# Altium PCB MAIN_BOARD_V2.PcbDoc (part 4 of 4)
Units mm, origin at the board's own origin, x right, y up, seen from the top; angles counter-clockwise.
Board outline 125 x 110 mm, 4 copper layers (Top Layer, Mid Layer 1, Mid Layer 2, Bottom Layer), stack 1.586 mm thick; 405 components, 359 nets, 1766 pads, 153 vias.
Unrouted connection lines stored in the file: 817.
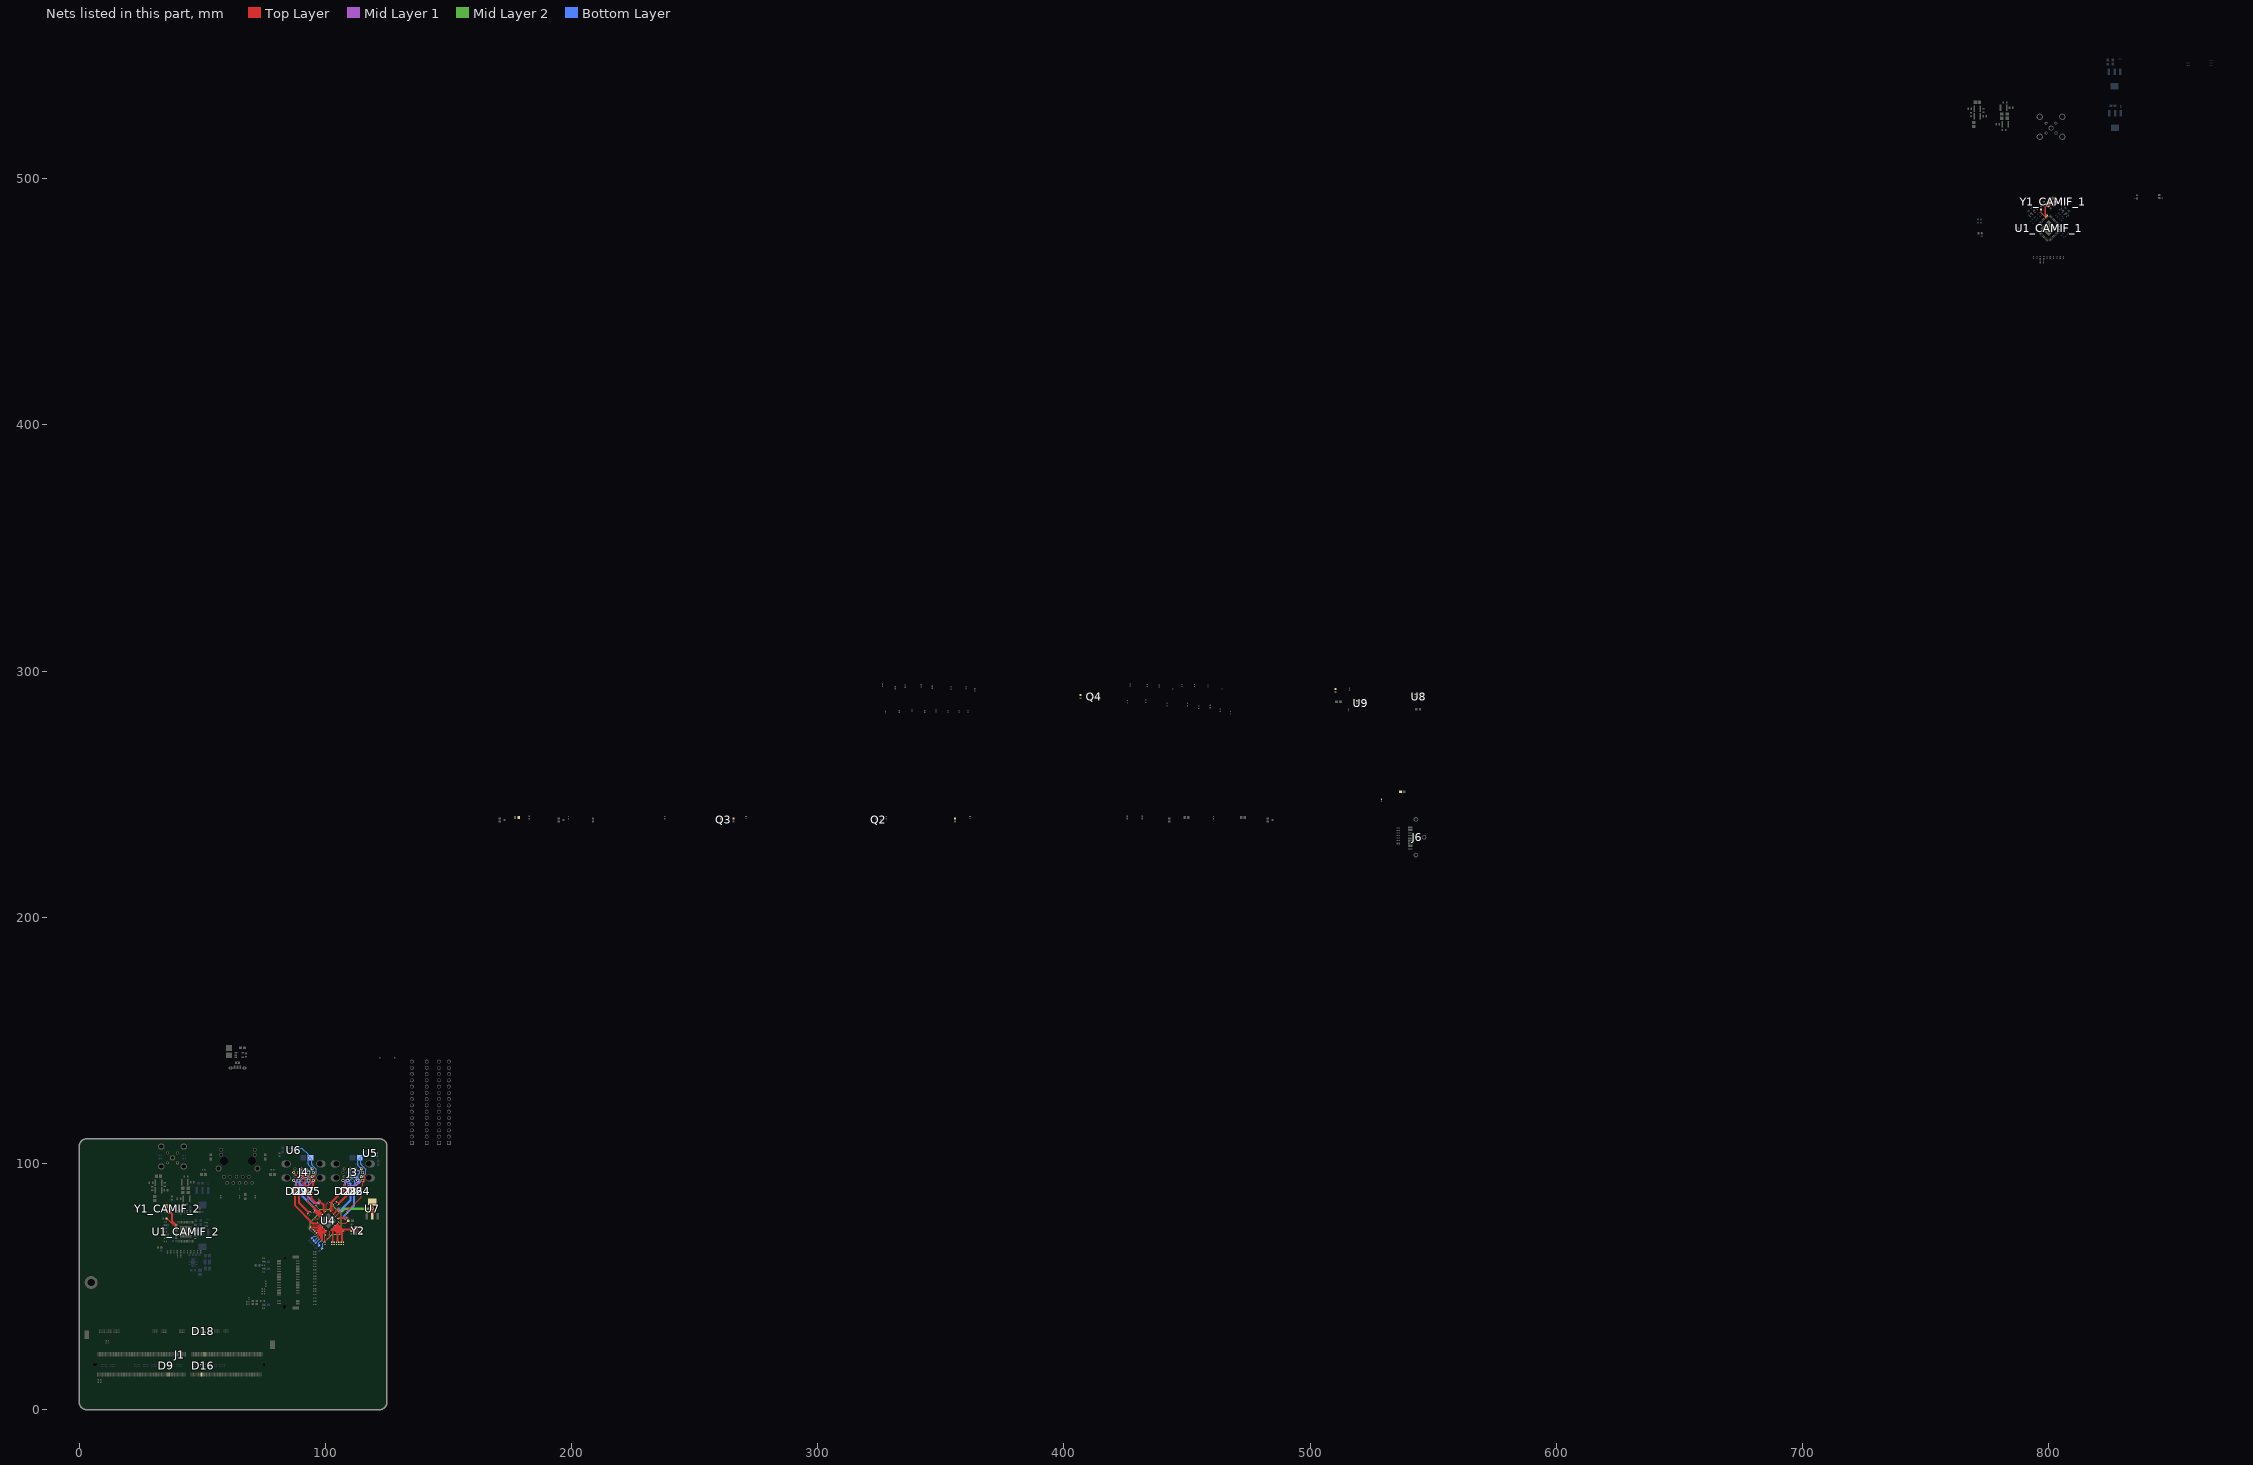
[diagram p6: the nets of this part, all layers, seen from the top]

## Via types
v1: diameter 0.5, hole 0.3, Top Layer to Bottom Layer, 93 vias
v2: diameter 0.5, hole 0.2, Top Layer to Bottom Layer, 32 vias
v3: diameter 1.27, hole 0.711, Top Layer to Bottom Layer, 19 vias
v4: diameter 3.5, hole 2.4, Top Layer to Bottom Layer, 7 vias
v5: diameter 1, hole 0.6, Top Layer to Bottom Layer, 2 vias

## Nets (pads, with @x,y where several pads share a name; then routed paths per layer and width w, separated by ;. In a path a pad name is that pad's centre, name@x,y a point inside that pad or via, vN(x,y) a via of type N, cw(c..) or ccw(c..) an arc to the next point about the centre after c; other vN are vias at no path point) (continued)
USB0_TX_P: C65.2 D24.5 D24.6 J3.A9 | length 19.7
  Top Layer w0.266: C65.2@108.893,79.957 108.917,79.98 108.917,80.126 108.764,80.279 108.764,80.499 114.622,86.357 114.622,88.097 114.642,88.117 D24.5@114.642,88.183 ; D24.5@114.675,88.332 D24.6@114.675,89.167 114.642,89.201 114.642,89.596 114.622,89.616 114.622,90.451 115.228,91.057 115.228,92.129 115.384,92.285 115.446,92.285 115.935,92.774 115.935,95.485 J3.A9@115.1,96.32
USB1_D_N: D9.4 J1.115 R30.1
USB1_D_P: D9.5 J1.117 R31.1
USB1_RX_N: D28.1 D28.10 J3.B5 U4.14 | length 16.6
  Top Layer w0.266: U4.14@101.666,80.993 101.67,80.993 102.215,81.537 102.215,84.265 105.854,87.904 107.369,87.904 107.525,88.06 D28.1@107.525,88.332 D28.10@107.525,89.167 107.525,89.284 107.485,89.324 107.485,91.217 v1(107.518,91.25)
  Mid Layer 1 w0.179: J3.B5@107.1,93.12 107.135,93.12 107.947,92.308 107.947,92.033 108.036,91.945 108.036,91.163 107.931,91.059 107.783,91.059 107.592,91.25 v1(107.518,91.25)
USB1_RX_P: D28.2 D28.9 J3.B6 U4.13 | length 16.4
  Top Layer w0.266: U4.13@101.949,80.71 101.949,80.714 102.325,81.091 102.609,81.374 102.609,84.102 106.017,87.511 107.532,87.511 107.992,87.971 107.992,88.299 D28.2@108.025,88.332 D28.9@108.025,89.167 108.022,89.171 108.022,90.246 v1(108.018,90.25)
  Mid Layer 1 w0.179: v1(108.018,90.25) 107.968,90.3 107.968,90.663 108.341,91.037 108.341,92.071 108.253,92.16 108.253,92.308 109.065,93.12 J3.B6@109.1,93.12
USB1_TX_N: C61.2 D28.4 D28.7 J3.B8 | length 16.4
  Top Layer w0.266: C61.2@104.432,84.418 104.455,84.442 104.601,84.442 104.754,84.289 105.701,84.289 109.078,87.667 109.078,88.332 109.078,88.998 109.025,89.051 D28.7@109.025,89.167 ; D28.7@108.985,89.324 108.985,91.217 v1(109.018,91.25)
  Mid Layer 1 w0.179: v1(109.018,91.25) 109.092,91.25 109.283,91.059 109.431,91.059 109.582,91.21 112.417,91.21 113.947,92.74 113.947,92.888 113.843,92.992 113.228,92.992 J3.B8@113.1,93.12
USB1_TX_P: C68.2 D28.5 D28.6 J3.B9 | length 15.7
  Top Layer w0.266: C68.2@105.382,83.468 105.382,83.598 105.68,83.896 105.864,83.896 109.472,87.504 109.472,88.332 109.472,88.998 109.525,89.051 D28.6@109.525,89.167 ; v1(109.518,90.25) 109.522,90.246 D28.6@109.522,89.324
  Mid Layer 1 w0.179: v1(109.518,90.25) 109.468,90.3 109.468,90.663 109.709,90.904 112.544,90.904 114.253,92.613 114.253,92.888 114.357,92.992 114.972,92.992 J3.B9@115.1,93.12
USB2_RX_N: D25.1 D25.10 J4.A5 U4.23 | length 22.3
  Top Layer w0.266: J4.A5@87.1,96.32 89.935,93.485 89.935,93.105 90.754,92.285 90.82,92.285 90.976,92.129 90.976,91.589 92.728,89.837 92.728,89.616 92.708,89.596 92.708,89.201 D25.10@92.675,89.167 92.675,88.587 92.728,88.534 92.728,88.332 92.728,84.267 97.282,79.714 97.292,79.714 98.272,78.735 U4.23@98.272,78.73
USB2_RX_P: D25.2 D25.9 J4.A6 U4.22 | length 22
  Top Layer w0.266: J4.A6@89.1,96.32 89.965,95.455 90.446,95.455 91.265,94.635 91.265,94.135 91.935,93.466 91.935,92.774 91.369,92.208 91.369,91.752 93.122,90 93.122,89.616 93.142,89.596 93.142,89.201 D25.9@93.175,89.167 93.175,88.75 93.122,88.697 93.122,88.332 93.122,84.43 97.445,80.107 97.455,80.107 98.55,79.013 U4.22@98.554,79.013
USB2_TX_N: C62.2 D25.4 D25.7 J4.A8 | length 15.4
  Top Layer w0.266: J4.A8@93.1,96.32 93.1,94.301 94.057,93.344 94.057,92.983 94.835,92.204 94.835,91.22 94.228,90.613 94.228,89.616 94.208,89.596 94.208,89.201 D25.7@94.175,89.167 D25.4@94.175,88.332 94.208,88.299 94.208,87.904 94.228,87.884 94.228,85.457 96.314,83.371 96.314,83.15 96.161,82.998 96.161,82.852 C62.2@96.185,82.828
USB2_TX_P: C69.2 D25.5 D25.6 J4.A9 | length 15.1
  Top Layer w0.266: J4.A9@95.1,96.32 95.935,95.485 95.935,92.774 95.446,92.285 95.384,92.285 95.228,92.129 95.228,91.057 94.622,90.451 94.622,89.616 94.642,89.596 94.642,89.201 D25.6@94.675,89.167 D25.5@94.675,88.332 94.642,88.299 94.642,87.904 94.622,87.884 94.622,85.62 96.592,83.649 96.813,83.649 96.966,83.802 97.111,83.802 C69.2@97.135,83.778
USB2UP_N: R30.2 U4.46 | length 5.8
  Top Layer w0.266: U4.46@102.522,73.348 102.522,73.343 103.272,72.594 103.272,68.278 R30.2@103.55,68
USB2UP_P: R31.2 U4.45 | length 5.4
  Top Layer w0.266: U4.45@102.24,73.065 102.244,73.065 102.878,72.431 102.878,68.278 R31.2@102.6,68
USB3_RX_N: D29.1 D29.10 J4.B5 U4.30 | length 24.2
  Top Layer w0.266: v1(87.518,91.25) 87.485,91.217 87.485,89.324 87.525,89.284 D29.10@87.525,89.167 87.525,88.722 87.578,88.669 87.578,88.332 87.578,82.722 94.725,75.575 96.809,75.575 97.127,75.893 U4.30@97.132,75.893
  Mid Layer 1 w0.179: J4.B5@87.1,93.12 87.135,93.12 87.947,92.308 87.947,92.033 88.036,91.945 88.036,91.163 87.931,91.059 87.783,91.059 87.592,91.25 v1(87.518,91.25)
USB3_RX_P: D29.2 D29.9 J4.B6 U4.29 | length 22.7
  Top Layer w0.266: v1(88.018,90.25) 88.022,90.246 88.022,89.171 D29.9@88.025,89.167 88.025,88.885 87.972,88.832 87.972,88.332 87.972,82.885 94.888,75.968 96.646,75.968 96.849,76.171 U4.29@96.849,76.176
  Mid Layer 1 w0.179: v1(88.018,90.25) 87.968,90.3 87.968,90.663 88.341,91.037 88.341,92.071 88.253,92.16 88.253,92.308 89.065,93.12 J4.B6@89.1,93.12
USB3_TX_N: C64.2 D29.4 D29.7 J4.B8 | length 19.7
  Top Layer w0.266: v1(89.018,91.25) 88.985,91.217 88.985,89.324 89.025,89.284 D29.7@89.025,89.167 89.025,88.587 89.078,88.534 89.078,83.93 92.972,80.036 92.972,79.815 92.82,79.663 92.82,79.517 C64.2@92.843,79.493
  Mid Layer 1 w0.179: v1(89.018,91.25) 89.092,91.25 89.283,91.059 89.431,91.059 89.582,91.21 93.003,91.21 93.169,91.377 93.259,91.466 93.259,92.961 J4.B8@93.1,93.12
USB3_TX_P: C70.2 D29.5 D29.6 J4.B9 | length 19.4
  Top Layer w0.266: v1(89.518,90.25) 89.521,90.246 89.521,89.171 D29.6@89.525,89.167 89.525,88.75 89.472,88.697 89.472,84.093 93.251,80.314 93.471,80.314 93.624,80.467 93.77,80.467 C70.2@93.793,80.443
  Mid Layer 1 w0.179: v1(89.518,90.25) 89.468,90.3 89.468,90.663 89.709,90.904 93.129,90.904 93.475,91.25 95.1,92.875 J4.B9@95.1,93.12
USB3UP_RX_N: R33.2 U4.51 | length 8.2
  Top Layer w0.266: U4.51@103.928,74.77 103.928,74.765 107.072,71.622 107.072,68.278 R33.2@107.35,68
USB3UP_RX_P: R34.2 U4.50 | length 7.9
  Top Layer w0.266: U4.50@103.646,74.487 103.65,74.487 106.678,71.459 106.678,68.278 R34.2@106.4,68
USB3UP_TX_N: R35.2 U4.48 | length 6.9
  Top Layer w0.266: U4.48@103.088,73.913 103.088,73.909 105.13,71.867 105.13,69.936 105.13,68.32 R35.2@105.45,68
USB3UP_TX_P: R36.2 U4.47 | length 6.5
  Top Layer w0.266: U4.47@102.805,73.63 102.81,73.63 104.737,71.704 104.737,69.773 104.737,68.237 R36.2@104.5,68
USB_1V2: C44.2 C45.2 C46.2 C47.2 C48.2 C50.2 C51.2 C54.2 C77.1 U4.5 U4.12 U4.15 U4.21 U4.28 U4.33 U4.43 U4.49 U7.2 U7.4 | length 85.5
  Top Layer w0.266: v1(93.841,73.006) 94.959,74.125 97.061,74.125 U4.33@97.98,75.045 ; v1(95.325,77.525) 96.648,77.525 U4.28@96.857,77.316 ; v1(97.1,81.375) 97.109,81.375 97.625,80.859 97.625,80.508 U4.21@98.829,79.304 ; v1(100.425,68.883) 101.751,70.209 101.751,72.422 U4.43@101.674,72.499 ; U4.15@100.526,81.001 100.3,81.227 100.3,83.338 v1(101.2,84.238) ; U4.12@102.231,80.427 103.097,81.293 103.097,83.13 v1(103.142,83.175) ; U4.49@103.371,74.196 105.85,71.717 v1(105.85,71.275) ; U4.5@104.22,78.455 106.07,80.305 106.305,80.305 v1(106.35,80.35)
  Top Layer w1: U7.2@119,78.6 v5(119,81.55) U7.4@119,84.5
  Mid Layer 2 w0.5: v1(93.841,73.006) 93.841,76.041 97.1,79.3 v1(97.1,81.375) 101.65,81.375 103.142,82.867 ; v1(100.425,68.883) 102.817,71.275 v1(105.85,71.275) 106.35,71.775 v1(106.35,80.35) 105.35,80.35 103.142,82.558 103.142,82.867 ; v1(101.2,84.238) 102.078,84.238 v1(103.142,83.175) 103.142,82.867
  Mid Layer 2 w1: v1(106.35,80.35) 107.55,81.55 v5(119,81.55)
USB_ATEST: R39.2 U4.52 | length 4
  Top Layer w0.266: U4.52@104.211,75.053 106.695,72.57 107.13,72.57 v1(107.175,72.525)
USB_CFG_CHG_EN: R49.1 TP3.1 U4.40 | length 7.4
  Top Layer w0.266: v1(98.225,68.625) 98.225,68.666 98.507,68.948 98.507,71.611 U4.40@99.969,73.073
  Bottom Layer w0.266: R49.1@97.321,66.771 97.319,66.773 97.319,67.261 97.321,67.263 97.321,67.721 v1(98.225,68.625)
USB_CFG_NON_REM: R47.2 TP1.1 U4.41 | length 8
  Top Layer w0.266: v1(98.875,67.975) 98.875,71.414 U4.41@100.251,72.79
  Bottom Layer w0.266: R47.2@98.571,65.521 98.571,65.919 98.875,66.223 v1(98.875,67.975)
USB_nRESET: R37.1 R38.1 U4.42 | length 4.8
  Top Layer w0.266: R38.1@99.825,67.975 99.825,71.798 U4.42@100.534,72.507
  other v1: 99.825,70.95
USB_nRST: R38.2
USB_PRT_CTL1: R42.1 U4.36 | length 3.5
  Top Layer w0.266: R42.1@96.372,71.755 96.388,71.755 U4.36@98.837,74.204
USB_PRT_CTL2: R44.1 U4.35 | length 3.7
  Top Layer w0.266: R44.1@95.704,72.437 96.142,72.875 96.942,72.875 U4.35@98.546,74.479
USB_PRT_CTL3: R45.1 U4.34 | length 3.9
  Top Layer w0.266: R45.1@95.029,73.112 95.418,73.501 97.002,73.501 U4.34@98.263,74.762
USB_PRT_CTL4: R46.1 U4.32 | length 4.2
  Top Layer w0.266: R46.1@93.961,74.177 94.484,74.7 97.07,74.7 U4.32@97.698,75.328
USB_RBIAS: R40.1 U4.56 | length 4.5
  Top Layer w0.266: U4.56@105.343,76.184 105.777,75.75 108.2,75.75 109.2,76.75 R40.1@109.25,76.75
USB_SPI_MISO: R51.1 TP4.1 U4.39 | length 7
  Top Layer w0.266: v1(97.575,69.275) 98.139,69.839 98.139,71.809 U4.39@99.686,73.356
  Bottom Layer w0.266: R51.1@96.125,67.825 v1(97.575,69.275)
USB_SPI_SCLK: R48.1 TP2.1 U4.38 | length 7
  Top Layer w0.266: v1(96.925,69.925) 97.771,70.771 97.771,72.007 U4.38@99.403,73.639
  Bottom Layer w0.266: R48.1@95.25,68.7 95.285,68.665 95.627,68.665 96.888,69.925 v1(96.925,69.925)
USBH0_D_N: D26.1 D26.10 J3.A2 U4.2 | length 29.6
  Top Layer w0.266: U4.2@105.068,77.607 105.073,77.607 105.714,78.248 108.184,78.248 108.337,78.4 v1(108.4,78.4)
  Bottom Layer w0.266: v1(108.4,78.4) 108.41,78.39 108.41,78.004 108.172,77.767 107.951,77.767 107.75,77.968 107.75,78.619 111.897,82.765 111.897,87.884 111.917,87.904 111.917,88.299 D26.1@111.95,88.332 D26.10@111.95,89.167 111.917,89.201 111.917,89.596 111.897,89.616 111.897,91.013 112.328,91.445 112.328,92.178 112.484,92.334 112.705,92.334 112.754,92.285 113.446,92.285 113.935,92.774 113.935,93.466 113.35,94.051 113.35,95.389 113.935,95.974 113.935,96.666 113.446,97.155 112.849,97.155 112.183,97.82 J3.A2@112.1,97.82
USBH0_D_P: D26.2 D26.9 J3.A3 U4.1 | length 31
  Top Layer w0.266: U4.1@105.351,77.324 105.351,77.329 105.797,77.775 108.737,77.775 109.037,78.075 v1(109.1,78.075)
  Bottom Layer w0.266: v1(109.1,78.075) 109.037,78.075 108.829,77.867 108.335,77.373 107.788,77.373 107.357,77.805 107.357,78.782 111.503,82.928 111.503,87.884 111.483,87.904 111.483,88.299 D26.2@111.45,88.332 D26.9@111.45,89.167 111.483,89.201 111.483,89.596 111.503,89.616 111.503,91.176 111.935,91.608 111.935,93.135 112.935,94.135 112.935,94.966 112.415,95.485 110.415,95.485 110.1,95.801 J3.A3@110.1,97.82
USBH1_D_N: D26.4 D26.7 J3.B2 U4.9 | length 22.2
  Top Layer w0.266: U4.9@103.08,79.578 105.07,81.569 v1@105.07,81.79 ; v1(105.025,82) 105.07,81.955 v1@105.07,81.79
  Bottom Layer w0.266: v1(105.025,82) 105.025,81.937 105.222,81.739 105.222,81.27 105.609,80.883 106.172,80.883 110.397,85.108 110.397,87.884 110.417,87.904 110.417,88.299 D26.4@110.45,88.332 D26.7@110.45,89.167 110.417,89.201 110.417,89.596 110.397,89.616 110.397,89.837 110.445,89.885 110.445,91.812 109.953,92.303 109.953,93.154 111.241,94.441 111.921,94.441 J3.B2@112.1,94.62
USBH1_D_P: D26.5 D26.6 J3.B3 U4.8 | length 22.2
  Top Layer w0.266: U4.8@103.365,79.296 105.768,81.699 105.768,81.955 v1(105.813,82)
  Bottom Layer w0.266: v1(105.813,82) 105.813,81.937 105.616,81.739 105.616,81.433 105.772,81.277 106.009,81.277 110.003,85.271 110.003,87.884 109.983,87.904 109.983,88.299 D26.5@109.95,88.332 D26.6@109.95,89.167 109.983,89.201 109.983,89.596 110.003,89.616 110.003,90 110.051,90.048 110.051,91.649 109.675,92.025 109.014,92.025 108.265,92.774 108.265,93.466 109.241,94.441 109.921,94.441 J3.B3@110.1,94.62
USBH2_D_N: D27.1 D27.10 J4.A2 U4.18 | length 27.5
  Top Layer w0.266: v1(96.825,84.95) 96.87,84.905 97.146,84.905 99.05,83.001 99.05,80.78 99.522,80.308 99.522,80.262 99.632,80.152 U4.18@99.678,80.152
  Bottom Layer w0.266: J4.A2@92.1,97.82 92.183,97.82 92.849,97.155 93.446,97.155 93.935,96.666 93.935,95.974 93.398,95.438 93.398,94.002 93.935,93.466 93.935,92.774 93.446,92.285 92.754,92.285 92.502,92.537 92.282,92.537 92.08,92.335 92.08,89.583 92.1,89.563 D27.10@92.1,89.167 92.1,88.565 D27.1@92.1,88.332 92.1,87.667 95.472,84.295 97.286,84.295 97.442,84.451 97.442,84.672 97.187,84.927 96.848,84.927 v1(96.825,84.95)
USBH2_D_P: D27.2 D27.9 J4.A3 U4.17 | length 28.6
  Top Layer w0.266: 97.341,85.33 99.488,83.182 99.488,80.961 99.96,80.489 U4.17@99.96,80.435
  Bottom Layer w0.266: J4.A3@90.1,97.82 90.1,95.801 90.431,95.47 92.431,95.47 92.935,94.966 92.935,94.135 92.114,93.314 92.114,92.925 91.62,92.432 91.62,89.583 91.6,89.563 D27.2@91.6,88.332 91.6,87.61 95.309,83.901 97.449,83.901 97.836,84.288 97.836,84.835 97.341,85.33 97.341,85.421 97.225,85.537 v1(97.225,85.6)
USBH3_D_N: D27.4 D27.7 J4.B2 U4.25 | length 22.3
  Top Layer w0.266: v1(95.293,80.04) 95.337,80.085 95.502,80.085 95.538,80.12 95.759,80.12 96.514,79.366 96.514,79.361 97.706,78.169 U4.25@97.706,78.164
  Bottom Layer w0.266: J4.B2@92.1,94.62 92.017,94.62 91.351,93.955 90.754,93.955 89.935,93.135 89.935,92.774 89.506,92.346 89.506,92.125 90.547,91.085 90.547,89.616 90.567,89.596 90.567,89.201 D27.7@90.6,89.167 90.6,88.75 90.547,88.697 90.547,87.05 93.369,84.228 93.415,84.228 95.86,81.782 95.86,80.578 95.322,80.04 v1(95.293,80.04)
USBH3_D_P: D27.5 D27.6 J4.B3 U4.24 | length 21.8
  Top Layer w0.266: v1(95.237,80.85) 95.255,80.832 95.604,80.832 96.907,79.529 96.907,79.524 97.984,78.447 U4.24@97.989,78.447
  Bottom Layer w0.266: J4.B3@90.1,94.62 90.017,94.62 89.351,93.955 88.754,93.955 88.265,93.466 88.265,92.774 88.754,92.285 88.79,92.285 90.153,90.922 90.153,89.616 90.133,89.596 90.133,89.201 D27.6@90.1,89.167 90.1,88.75 90.153,88.697 90.153,86.887 93.206,83.834 93.252,83.834 95.467,81.619 95.467,81.123 95.237,80.893 v1(95.237,80.85)
USBSS0_RX_N: D16.1 J1.161 R33.1
USBSS0_RX_P: D16.2 J1.163 R34.1
USBSS0_TX_N: D18.4 J1.166 R35.1
USBSS0_TX_P: D18.5 J1.168 R36.1
VBUS_1: C49.1 C52.2 C53.2 J3.A1 J3.B1 U5.1 | length 18.3
  Bottom Layer w0.5: C52.2@114.458,99.8 114.453,99.806 114.453,101.822 C49.1@113.975,102.3 ; C52.2@114.464,99.8 114.478,99.786 114.478,99.422 116.325,97.575 116.325,95.75 115.329,94.754 114.734,94.754 J3.B1@114.6,94.62 ; J3.A1@114.6,97.82 113.136,99.284 113.136,99.786 113.122,99.8 C53.2@113.117,99.8 113.117,101.442 C49.1@113.975,102.3 ; U5.1@116.775,103.175 114.85,103.175 C49.1@113.975,102.3
VBUS_2: C63.1 C66.2 C67.2 J4.A1 J4.B1 U6.1 | length 22.3
  Bottom Layer w0.5: U6.1@88.55,106.25 90.475,106.25 93,103.725 93,103.225 C63.1@93.925,102.3 ; J4.B1@94.6,94.62 94.734,94.754 95.204,94.754 96.2,95.75 96.2,97.65 94.453,99.397 94.453,99.786 94.439,99.8 C66.2@94.433,99.8 94.433,101.792 C63.1@93.925,102.3 ; J4.A1@94.6,97.82 93.13,99.29 93.13,99.786 C67.2@93.117,99.8 93.117,101.492 C63.1@93.925,102.3
VBUS_DET: R32.1 U4.37 | length 6.9
  Top Layer w0.266: v1(96.325,70.525) 97.325,71.525 97.325,72.126 U4.37@99.12,73.922
  Bottom Layer w0.266: R32.1@94.375,69.575 95.325,70.525 v1(96.325,70.525)
VDD_3V3_HDMI: Q2.1 Q3.1 Q4.1 R66.2 R79.2 R87.2 R95.2 R96.2 U8.1
VDD_5V_HDMI: C82.1 C83.2 J6.18 R80.2 R88.2 U9.1
X25_CAMIF_1_N: C20_CAMIF_1.1 U1_CAMIF_1.16 Y1_CAMIF_1.3 | length 8.6
  Top Layer w0.2: U1_CAMIF_1.16@799.205,484.685 798.947,484.942 798.947,485.082 798.638,485.391 798.638,488.677 799.038,489.076 799.038,489.242 798.921,489.359 798.921,489.748 C20_CAMIF_1.1@798.974,489.801 799.027,489.854 799.416,489.854 799.57,489.7 800.566,489.7 800.683,489.817 800.683,489.983 800.496,490.17 Y1_CAMIF_1.3@800.496,490.877
X25_CAMIF_1_P: C19_CAMIF_1.1 U1_CAMIF_1.15 Y1_CAMIF_1.1 | length 9.3
  Top Layer w0.2: U1_CAMIF_1.15@799.558,485.038 799.301,485.295 799.161,485.295 798.94,485.516 798.94,488.552 799.264,488.876 799.429,488.876 799.534,488.771 799.923,488.771 C19_CAMIF_1.1@799.976,488.824 799.976,489.077 800.297,489.398 800.691,489.398 801.886,490.594 803.183,490.594 Y1_CAMIF_1.1@803.254,490.523
X25_CAMIF_2_N: C20_CAMIF_2.1 U1_CAMIF_2.16 Y1_CAMIF_2.3 | length 10.3
  Top Layer w0.2: v1(35.2,82.775) 35.2,82.675 36.104,81.771 36.104,81.605 36.098,81.6 36.098,79.791 36.216,79.673 37.275,79.673 37.625,79.323 37.625,76.419 37.713,76.331 38.252,75.793 38.723,75.321 39.019,75.025 U1_CAMIF_2.16@39.383,75.025
X25_CAMIF_2_P: C19_CAMIF_2.1 U1_CAMIF_2.15 Y1_CAMIF_2.1 | length 7.1
  Top Layer w0.2: v1(36.9,80.575) 36.9,80.675 37.078,80.853 37.4,80.853 37.4,79.975 37.927,79.448 37.927,76.544 38.936,75.535 39.373,75.535 U1_CAMIF_2.15@39.383,75.525
X25_N: C73.1 U4.53 Y2.3 | length 11.8
  Top Layer w0.266: U4.53@104.494,75.336 104.517,75.336 106.712,73.141 110.169,73.141 110.325,72.985 110.325,72.867 110.567,72.625 C73.1@110.642,72.625 110.717,72.625 110.959,72.867 110.959,72.985 111.115,73.141 111.475,73.141 111.939,72.677 113.248,72.677 114.175,71.75 Y2.3@114.175,71.65
X25_P: C72.1 U4.54 Y2.1 | length 9.3
  Top Layer w0.266: U4.54@104.777,75.619 104.851,75.545 104.851,75.522 106.864,73.509 110.169,73.509 110.325,73.665 110.325,73.783 110.567,74.025 C72.1@110.642,74.025 110.717,74.025 110.959,73.783 110.959,73.665 111.115,73.509 111.628,73.509 111.631,73.506 112.131,73.506 Y2.1@112.475,73.85
XRES_CAMIF_1: R20_CAMIF_1.2 U1_CAMIF_1.17 | length 4
  Top Layer w0.2: R20_CAMIF_1.2@797,487.55 797,486.182 U1_CAMIF_1.17@798.851,484.331
XRES_CAMIF_2: R20_CAMIF_2.2 U1_CAMIF_2.17 | length 5.3
  Top Layer w0.2: R20_CAMIF_2.2@35.425,77.7 35.425,77.625 35.675,77.375 36,77.375 38.84,74.535 39.373,74.535 U1_CAMIF_2.17@39.383,74.525
pads on no net: D1.6 D1.7 D1.9 D1.10 D2.6 D2.7 D2.9 D2.10 D3.6 D3.7 D3.9 D3.10 D4.6 D4.7 D4.9 D4.10 D5.6 D5.7 D5.9 D5.10 D7.6 D7.7 D7.9 D7.10 D8.6 D8.7 D8.9 D8.10 D9.6 D9.7 D9.9 D9.10 D10.6 D10.7 D10.9 D10.10 D11.6 D11.7 D11.9 D11.10 D12.6 D12.7 D12.9 D12.10 D13.6 D13.7 D13.9 D13.10 D14.6 D14.7 D14.9 D14.10 D15.6 D15.7 D15.9 D15.10 D16.4 D16.5 D16.6 D16.7 D16.9 D16.10 D17.6 D17.7 D17.9 D17.10 D18.6 D18.7 D18.9 D18.10 D19.6 D19.7 D19.9 D19.10 D20.6 D20.7 D20.9 D20.10 D21.6 D21.7 D21.9 D21.10 D22_CAMIF_1.2 D22_CAMIF_1.4 D22_CAMIF_1.7 D22_CAMIF_1.9 D22_CAMIF_2.2 D22_CAMIF_2.4 D22_CAMIF_2.7 D22_CAMIF_2.9 D23_CAMIF_1.2 D23_CAMIF_1.4 D23_CAMIF_1.7 D23_CAMIF_1.9 D23_CAMIF_2.2 D23_CAMIF_2.4 D23_CAMIF_2.7 D23_CAMIF_2.9 D30.1 D30.6 D30.7 D30.9 D30.10 D31.6 D31.7 D31.9 D31.10 D32.6 D32.7 D32.9 D32.10 IC1_CAMIF_2.4 J1. J1.9 J1.11 J1.27 J1.29 J1.39 J1.40 J1.41 J1.42 J1.45 J1.46 J1.47 J1.48 J1.51 J1.52 J1.53 J1.54 J1.57 J1.58 J1.59 J1.60 J1.64 J1.66 J1.70 J1.72 J1.76 J1.78 J1.82 J1.84 J1.87 J1.88 J1.90 J1.92 J1.99 J1.101 J1.103 J1.105 J1.114 J1.118 J1.121 J1.122 J1.123 J1.124 J1.126 J1.127 J1.128 J1.130 J1.167 J1.169 J1.172 J1.173 J1.174 J1.175 J1.182 J1.183 J1.189 J1.191 J1.203 J1.205 J1.206 J1.207 J1.209 J1.212 J1.216 J1.217 J1.218 J1.219 J1.220 J1.221 J1.222 J1.223 J1.224 J1.225 J1.226 J1.227 J1.228 J1.229 J1.232 J1.234 J1.235 J1.236 J1.238 J1.240 J5. J6.14 J7. J7.6 J7.8 J7.20 J7.22 J7.24 J7.26 J7.28 J7.30 J7.32 J7.34 J7.36 J7.38 J7.46 J7.48 J7.54 J7.56 J7.58 J7.67 J7.69 J11.4 J12.4 Q5.1 R114.1 U1_CAMIF_1.1 U1_CAMIF_1.2 U1_CAMIF_1.3 U1_CAMIF_1.12 U1_CAMIF_1.13 U1_CAMIF_1.14 U1_CAMIF_1.26 U1_CAMIF_1.27 U1_CAMIF_1.43 U1_CAMIF_1.44 U1_CAMIF_1.45 U1_CAMIF_1.46 U1_CAMIF_1.47 U1_CAMIF_1.48 U1_CAMIF_1.49 U1_CAMIF_1.50 U1_CAMIF_1.51 U1_CAMIF_1.52 U1_CAMIF_1.53 U1_CAMIF_1.54 U1_CAMIF_2.1 U1_CAMIF_2.2 U1_CAMIF_2.3 U1_CAMIF_2.12 U1_CAMIF_2.13 U1_CAMIF_2.14 U1_CAMIF_2.26 U1_CAMIF_2.27 U1_CAMIF_2.43 U1_CAMIF_2.44 U1_CAMIF_2.45 U1_CAMIF_2.46 U1_CAMIF_2.47 U1_CAMIF_2.48 U1_CAMIF_2.49 U1_CAMIF_2.50 U1_CAMIF_2.51 U1_CAMIF_2.52 U1_CAMIF_2.53 U1_CAMIF_2.54 U8.3
copper on no net: | length 14.4
  Bottom Layer w0.355: 32.565,103.287 33.4,103.287 33.805,103.287 ccw(c33.805,105.827) 35.601,104.031 35.858,104.287 ; 39.858,104.287 40.114,104.031 ccw(c41.91,105.827) 41.91,103.287 42.315,103.287 43.15,103.287 ; 856.08,548.012 856.915,548.012 857.32,548.012 ccw(c857.32,550.552) 859.116,548.756 859.373,549.012 ; 863.373,549.012 863.629,548.756 ccw(c865.425,550.552) 865.425,548.012 865.83,548.012 866.665,548.012
  other v4: 3,3 83,3 122,3 3,68 83,68 3,107 122.175,107.15

## Polygon pours and split planes (outlines as drawn)
ETH_GND on Top Layer "ETH_GND_L01_P040" (solid, pour order 40): 78.5,86.5 50.5,86.5 50.5,111.5 78.5,111.5
PoC_PWR_CAMIF_2 on Top Layer "POC_PWR_CAMIF_2_L01_P021" (solid, pour order 21): 29.997,85.923 31.453,85.923 31.453,87.178 31.23,87.75 31.23,90.4 30.58,90.4 30.58,89.955 30.075,89.45 29.175,89.45 29.175,88.8 29.997,87.178
NetL2_CAMIF_2_2 on Top Layer "NETL2_CAMIF_2_2_L01_P023" (solid, pour order 23): 29.175,90.25 30.075,90.25 30.58,90.85 31.23,90.85 31.23,93.5 30.58,93.5 30.105,92.685 29.465,92.685 29.465,91.665 29.175,90.9
NetL4_CAMIF_2_2 on Top Layer "NETL4_CAMIF_2_2_L01_P025" (solid, pour order 25): 35.175,91 34.275,91 33.77,90.4 33.12,90.4 33.12,87.75 33.77,87.75 34.245,88.565 34.885,88.565 34.885,89.585 35.175,90.35
PoC_PWR_CAMIF_2 on Top Layer "POC_PWR_CAMIF_2_L01_P027" (solid, pour order 27): 33.628,95.503 32.373,95.503 32.373,94.072 33.12,92.175 33.12,90.85 33.77,90.85 33.77,91.295 34.275,91.8 35.175,91.8 35.175,92.45
NetL6_CAMIF_2_2 on Top Layer "NETL6_CAMIF_2_2_L01_P029" (solid, pour order 29): 40.84,85.24 40.84,86.26 41.955,87.075 42.605,87.075 42.605,84.425 42.6,84.42 42.6,83.075 41.95,83.075
PoC_PWR_CAMIF_2 on Top Layer "POC_PWR_CAMIF_2_L01_P031" (solid, pour order 31): 43.622,88.902 45.078,88.902 45.078,87.647 45.145,87.075 45.145,84.425 44.05,83.075 43.4,83.075 43.4,83.98 43.622,87.647
PoC_PWR_CAMIF_2 on Top Layer "POC_PWR_CAMIF_2_L01_P033" (solid, pour order 33): 41.372,89.298 42.828,89.298 42.828,90.553 43.02,94.233 43.02,95.133 42.37,95.133 41.28,93.783 41.28,91.133 41.372,90.553
NetL8_CAMIF_2_2 on Top Layer "NETL8_CAMIF_2_2_L01_P035" (solid, pour order 35): 43.82,91.133 44.47,91.133 45.585,91.948 45.585,92.968 44.47,95.133 43.82,95.133 43.82,93.783
NetL8_CAMIF_1_2 on Top Layer "NETL8_CAMIF_1_2_L01_P034" (solid, pour order 34): 782.67,527.458 783.32,527.458 784.435,528.273 784.435,529.293 783.32,531.458 782.67,531.458 782.67,530.108
PoC_PWR_CAMIF_1 on Top Layer "POC_PWR_CAMIF_1_L01_P032" (solid, pour order 32): 780.222,525.623 781.678,525.623 781.678,526.878 781.87,530.558 781.87,531.458 781.22,531.458 780.13,530.108 780.13,527.458 780.222,526.878
PoC_PWR_CAMIF_1 on Top Layer "POC_PWR_CAMIF_1_L01_P030" (solid, pour order 30): 782.472,525.227 783.928,525.227 783.928,523.972 783.995,523.4 783.995,520.75 782.9,519.4 782.25,519.4 782.25,520.305 782.472,523.972
NetL6_CAMIF_1_2 on Top Layer "NETL6_CAMIF_1_2_L01_P028" (solid, pour order 28): 779.69,521.565 779.69,522.585 780.805,523.4 781.455,523.4 781.455,520.75 781.45,520.745 781.45,519.4 780.8,519.4
PoC_PWR_CAMIF_1 on Top Layer "POC_PWR_CAMIF_1_L01_P026" (solid, pour order 26): 772.478,531.828 771.223,531.828 771.223,530.397 771.97,528.5 771.97,527.175 772.62,527.175 772.62,527.62 773.125,528.125 774.025,528.125 774.025,528.775
NetL4_CAMIF_1_2 on Top Layer "NETL4_CAMIF_1_2_L01_P024" (solid, pour order 24): 774.025,527.325 773.125,527.325 772.62,526.725 771.97,526.725 771.97,524.075 772.62,524.075 773.095,524.89 773.735,524.89 773.735,525.91 774.025,526.675
NetL2_CAMIF_1_2 on Top Layer "NETL2_CAMIF_1_2_L01_P022" (solid, pour order 22): 768.025,526.575 768.925,526.575 769.43,527.175 770.08,527.175 770.08,529.825 769.43,529.825 768.955,529.01 768.315,529.01 768.315,527.99 768.025,527.225
PoC_PWR_CAMIF_1 on Top Layer "POC_PWR_CAMIF_1_L01_P020" (solid, pour order 20): 768.847,522.248 770.303,522.248 770.303,523.503 770.08,524.075 770.08,526.725 769.43,526.725 769.43,526.28 768.925,525.775 768.025,525.775 768.025,525.125 768.847,523.503
NetIC1_CAMIF_2_13 on Bottom Layer "NETIC1_CAMIF_2_13_L04_P037" (solid, pour order 37): 47.351,59.322 47.351,60.572 47.951,60.572 50.498,61 51.653,61 51.653,58.894 50.498,58.894 47.951,59.322
3V3 on Bottom Layer "3V3_L04_P039" (solid, pour order 39): 46.376,58.597 47.126,58.597 47.351,58.822 47.351,59.072 47.958,59.072 49.78,57.25 49.78,55.995 48.323,55.995 47.426,56.047 46.526,56.047 46.376,57.997

## Silkscreen, mask and mechanical layers (free items; w line width, h text height)
Top Overlay:
  drawing of 41 lines, arcs and shapes, not listed
  text "I doubt 90% of this shit will work" at 63.9,24.45 h0.75
  text "VisionBETA" at 7,5.25 h4
  text "Designed with invaluable insight from Cass" at 6.7,3.033 h1
Bottom Overlay:
  drawing of 5 lines, arcs and shapes, not listed
  text "Proudly designed on company time" at 117.9,2.583 h1
Mechanical 1:
  lines w0.254: 0,3 ccw(c3,3) 3,0 122,0 ccw(c122,3) 125,3 125,107 ccw(c122,107) 122,110 3,110 ccw(c3,107) 0,107 0,3 ; 36.058,65.075 36.058,79.475 50.458,79.475 50.458,65.075 36.058,65.075
  text "USING JLC04161H-7628" at 27.779,129.529 h1.52

## Text inside footprints (layer, text, board x,y; h text height)
IC1_CAMIF_2: Bottom Assembly "IC?" at -2145.226,2413.184 h0.25 r270